# Altium PCB MCU card V2.PcbDoc
Units mil, origin at the board's own origin, x right, y up, seen from the top; angles counter-clockwise.
Board outline 1955.43 x 2187.17 mil, 4 copper layers (Top Layer, MidTop, MidBottom, Bottom Layer), stack 19.156 mil thick; 24 components, 87 nets, 222 pads, 82 vias.
Unrouted connection lines stored in the file: 18.
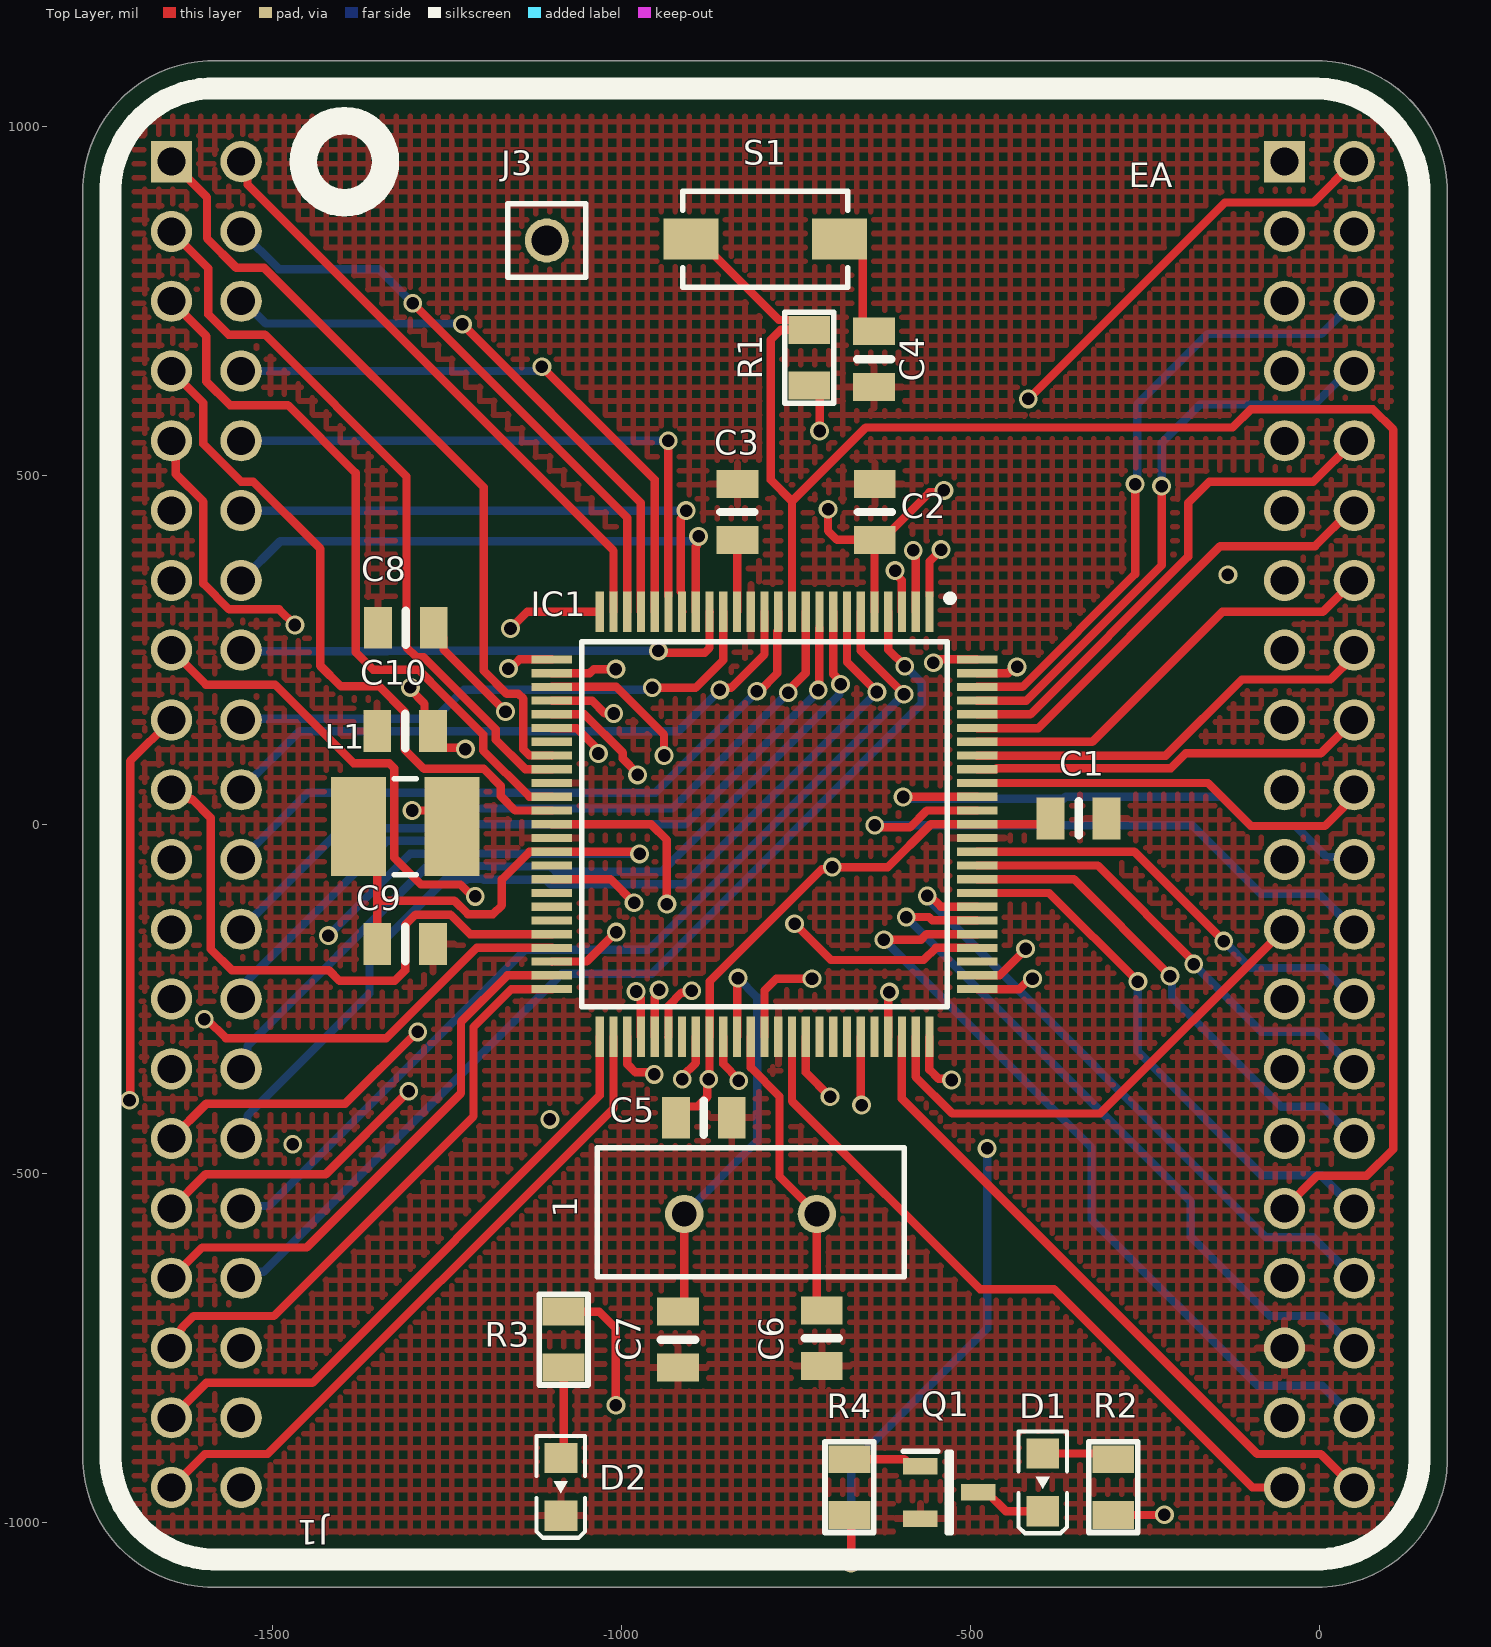
[diagram p0: Top Layer view]
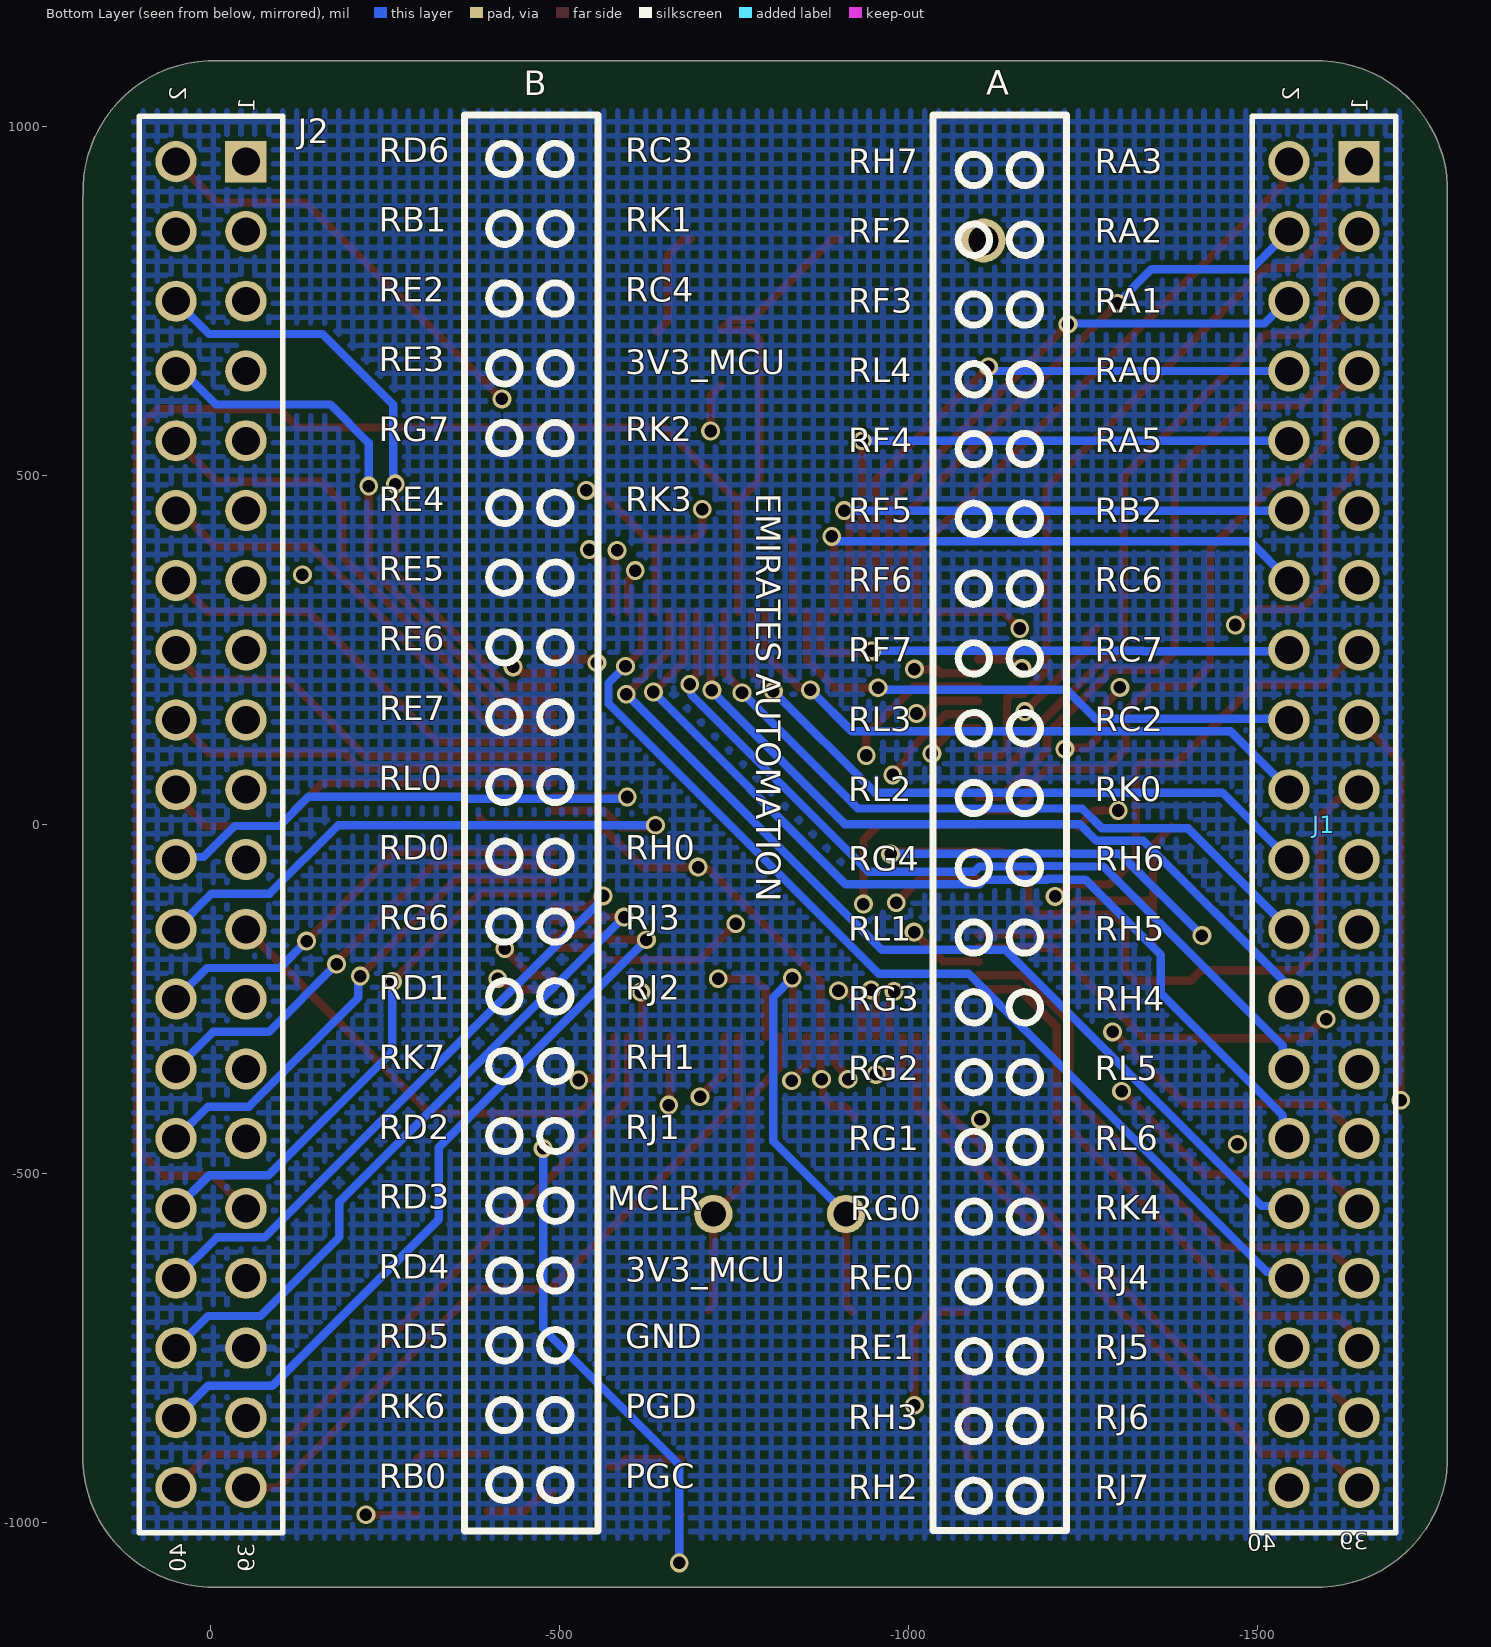
[diagram p1: Bottom Layer view, seen from below]
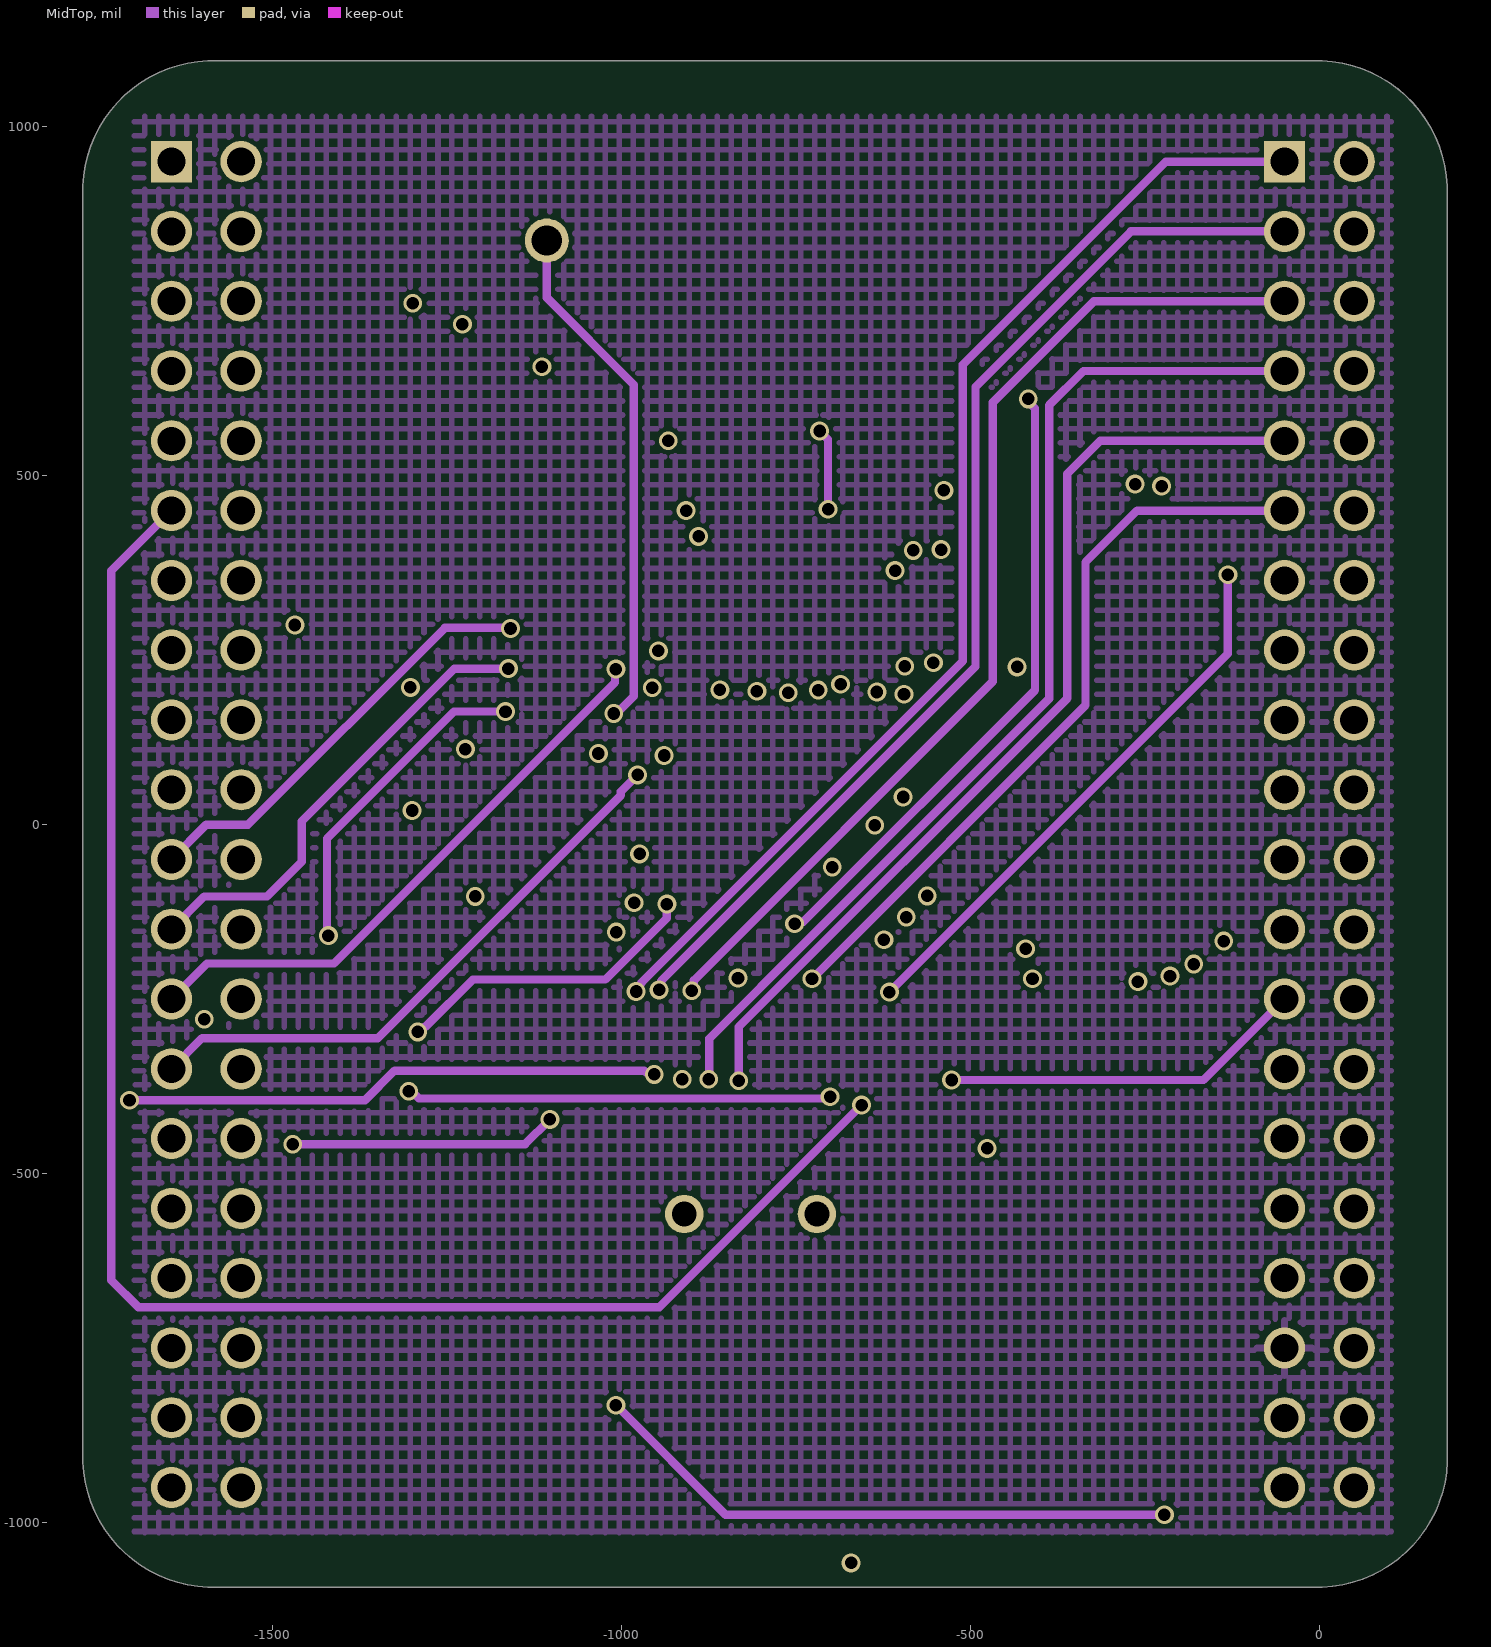
[diagram p2: MidTop]
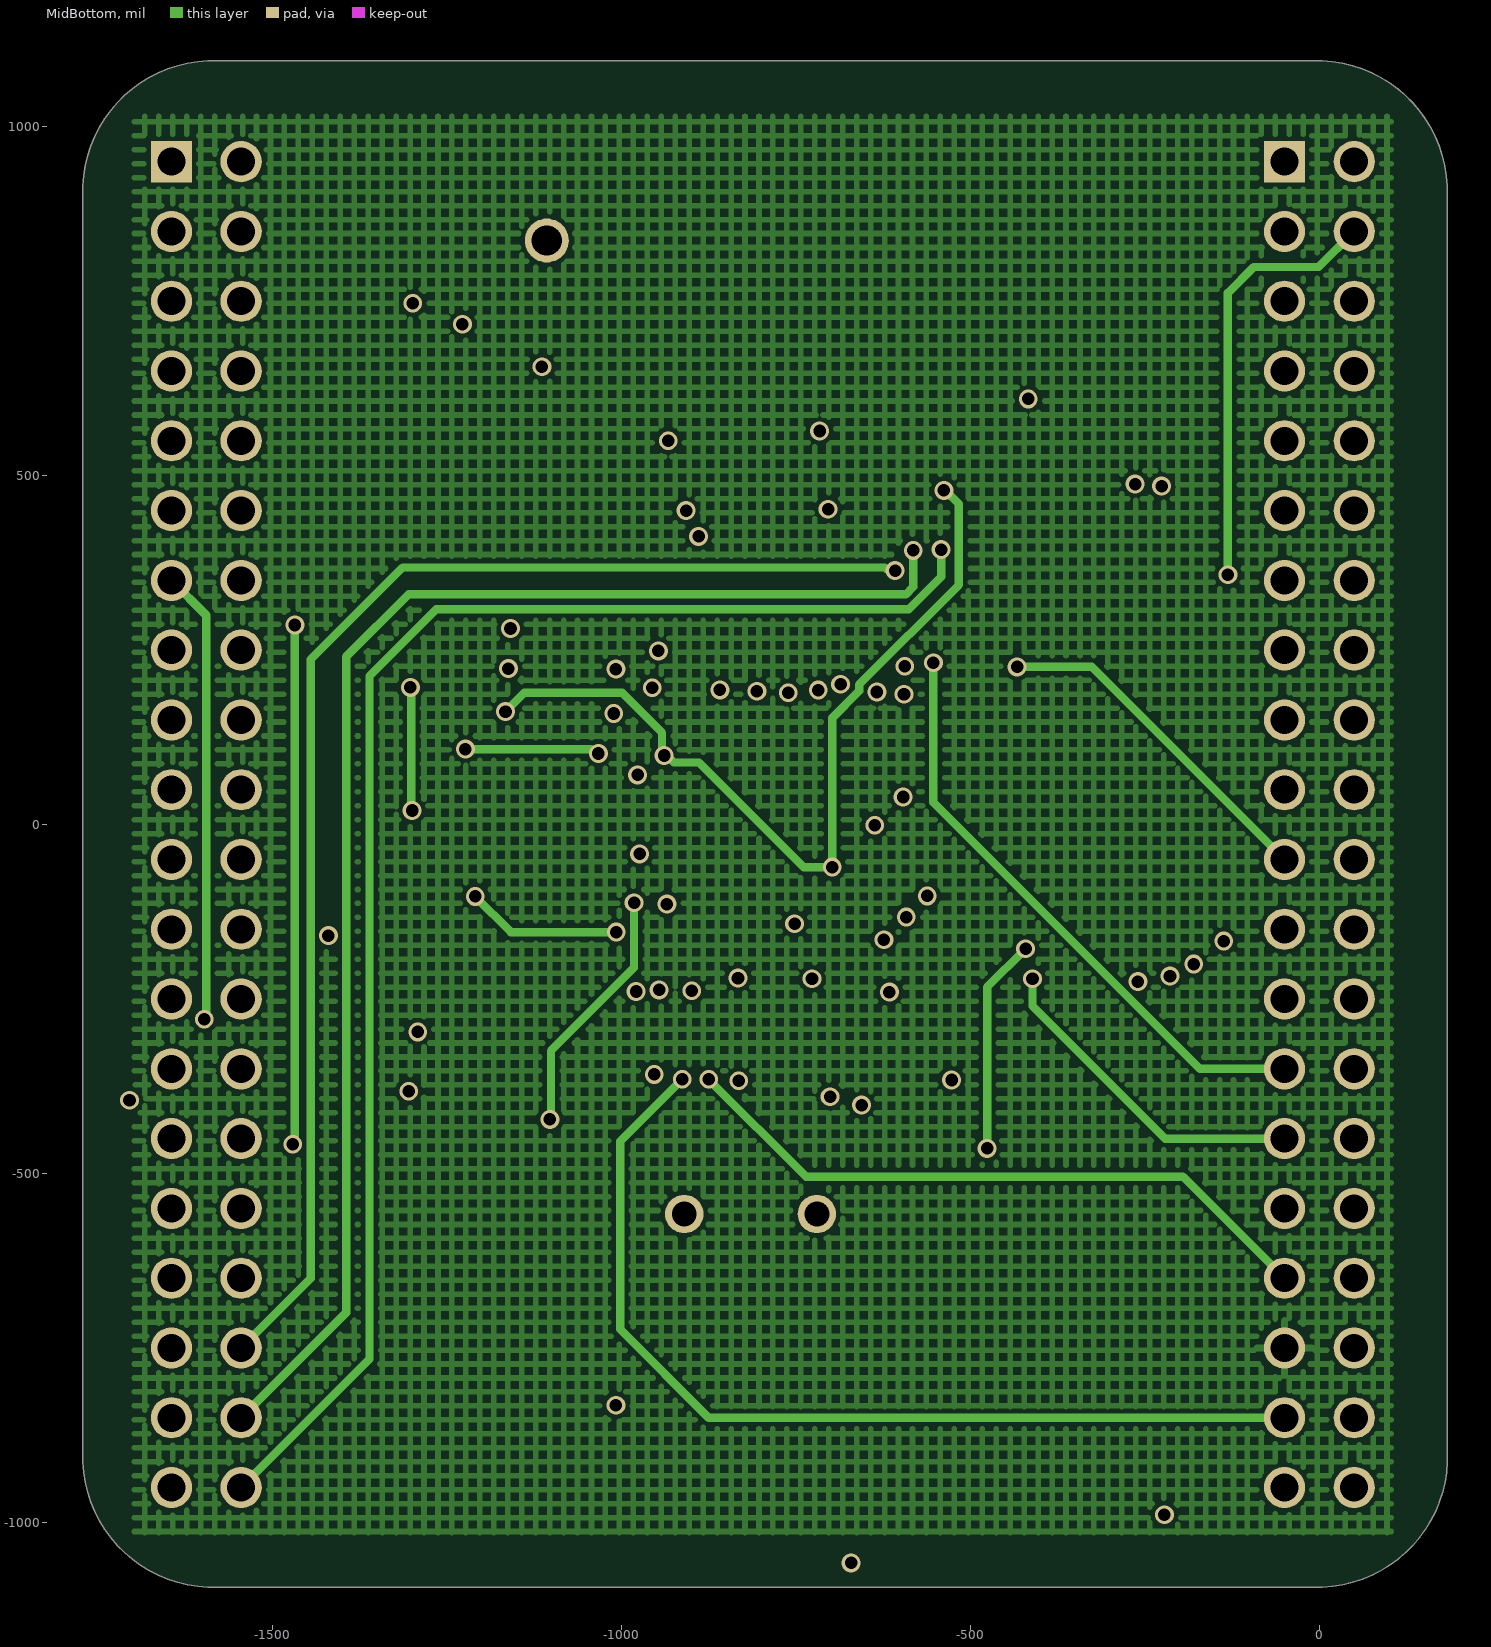
[diagram p3: MidBottom]
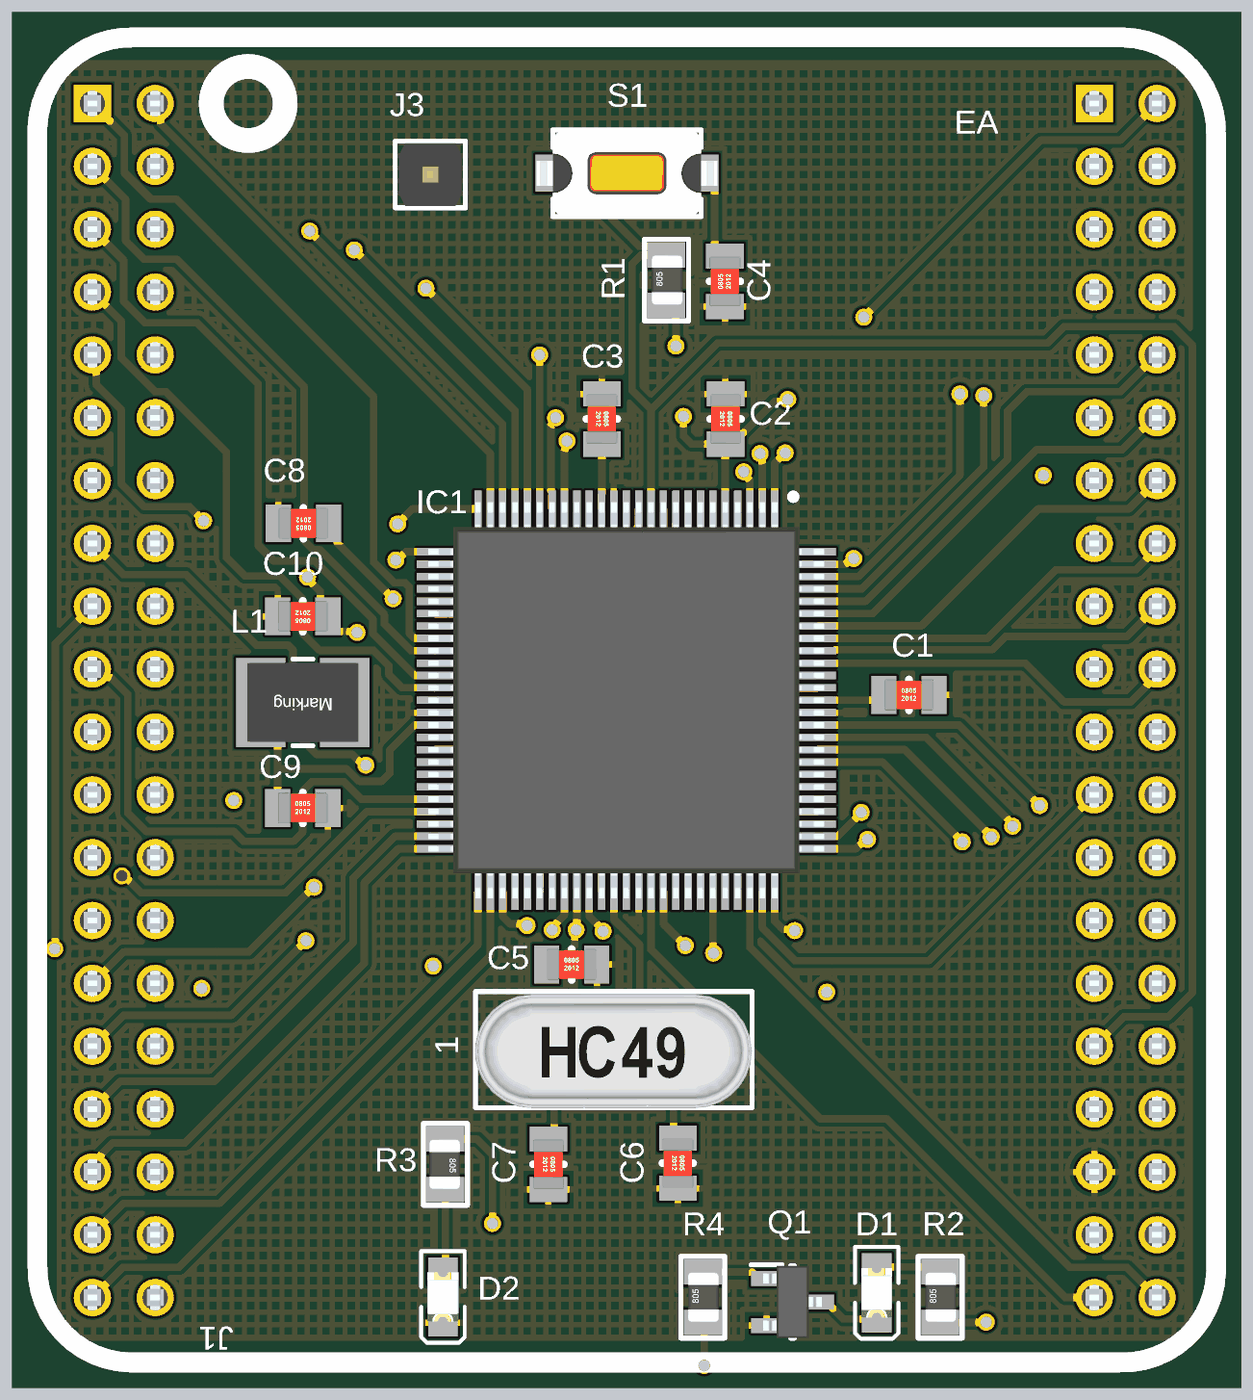
[diagram p4: 3D render of the assembled board from above, using the file's embedded part models]

## Layer stack, top to bottom
Top Solder: solder mask 0.4, Solder Resist, Dk 3.5
Top Layer: signal copper 1.4
Dielectric 2: prepreg 2.8, PP-006, Dk 4.1
MidTop: signal copper 1.378
Dielectric 1: core 8, Core-025, Dk 4.6
MidBottom: signal copper 1.378
Dielectric 3: prepreg 2.8, PP-006, Dk 4.1
Bottom Layer: signal copper 1.4
Bottom Solder: solder mask 0.4, Solder Resist, Dk 3.5

## Board outline
-1592.69,-1092.72 cw(c-1585.31,-906.2) -1771.82,-898.82 -1771.85,-898.82 -1771.85,915.31 cw(c-1585.33,907.93) -1577.95,1094.44 4.07,1094.44 4.07,1094.31 cw(c-3.31,907.8) 183.21,900.41 183.58,900.41 183.58,-913.43 cw(c-2.93,-906.05) -10.31,-1092.57

## Design rules (kind name [scope] priority, off if disabled: settings)
Clearance [All] p1: gap=6 ignorepadtopadclearanceinfootprint=FALSE
PolygonConnect [All] p1: connectstyle=Relief reliefconductorwidth=10 reliefentries=4 polygonreliefangle="90 Angle" airgapwidth=10
RoutingVias [All] p1: holewidth=18 width=27 viastyle="Through Hole" minholewidth=18 minwidth=27 maxholewidth=18 maxwidth=27
SolderMaskExpansion [All] p1: expansion=4 istentingtop=FALSE
Width [All] p1: maxlimit=40 minlimit=12 preferedwidth=15
30 further rules are at their usual default settings.

## Components (designator, comment, footprint, x,y, rotation, side; value= is the part's Value field where it differs from the comment)
1 "" "Mini Crystal" -814.98,-403 r0 top
C1 "0.10µF" SMD-0805C -344.98,9 r270 top
C2 "0.10µF" SMD-0805C -636.98,448 r180 top
C3 "10uF" SMD-0805C -833.98,448 r180 top value=0.10µF
C4 "0.10µF" SMD-0805C -637.98,667 r0 top
C5 "0.10µF" SMD-0805C -881.98,-420 r270 top
C6 "18pF" SMD-0805C -712.98,-736 r180 top value=0.10µF
C7 "18pF" SMD-0805C -918.98,-738 r180 top value=0.10µF
C8 "0.10µF" SMD-0805C -1309,282 r90 top
C9 "0.10µF" SMD-0805C -1310,-171 r270 top
C10 "0.10µF" SMD-0805C -1310,134 r90 top
D1 "150080BS75000" WL-SMCW_0805 -396.32,-942.47 r90 top
D2 "150080BS75000" WL-SMCW_0805 -1086.98,-949 r90 top
IC1 "PIC18F97J94-I-PF" QFP50P1600X1600X120-100N -794.98,0.5 r270 top
J1 "61304021821" 61304021821 -1595,0 r270 bottom
J2 "61304021821" 61304021821 0,0 r270 bottom
J3 "61300111121" 61300111121 -1107,837 r0 top
L1 "10uH, 0.95A" WE-LQ_1812 -1310,-3 r180 top
Q1 "S12302DS Nchanel SMD SOT-23" SOT-23-3N -530.32,-957 r0 top
R1 "10K" SMD-0805-RES -730.98,669 r0 top value=1k
R2 "240 ohm" SMD-0805-RES -295.32,-949.42 r0 top value=1k
R3 "1k" SMD-0805-RES -1082.98,-738 r180 top
R4 "1k" SMD-0805-RES -673.32,-949.42 r0 top
S1 "434113043826" 434113043826 -793.98,839 r0 top

## Footprints (in the part's own frame and the unit in brackets; to place one, negate y for a bottom-side part, rotate by r counter-clockwise, add the part's x,y. Pads: shape width x height; smd on the part's side, far side on the other; paste and mask are expansions set on the pad)
61300111121 [mm] "Pin Header, pitch 2.54 mm, THT, Vertical, single row, 1p"
  round 1.6 hole 1.1: 1(0,0)
  silkscreen extent -1.42,-1.35 1.42,1.35, body extent -1.27,-1.27 1.27,1.27, height 8.57
61304021821 [mm] "Socket Header, Pitch 2.54 mm, THT, Vertical, dual row, 40p"
  rect 1.5x1.5 hole 1.02: 1(-24.13,1.27)
  round 1.5 hole 1.02: 2(-24.13,-1.27) 3(-21.59,1.27) 4(-21.59,-1.27) 5(-19.05,1.27) 6(-19.05,-1.27) 7(-16.51,1.27) 8(-16.51,-1.27) 9(-13.97,1.27) 10(-13.97,-1.27) 11(-11.43,1.27) 12(-11.43,-1.27) 13(-8.89,1.27) 14(-8.89,-1.27) 15(-6.35,1.27) 16(-6.35,-1.27) 17(-3.81,1.27) 18(-3.81,-1.27) 19(-1.27,1.27) 20(-1.27,-1.27) 21(1.27,1.27) 22(1.27,-1.27) 23(3.81,1.27) 24(3.81,-1.27) 25(6.35,1.27) 26(6.35,-1.27) 27(8.89,1.27) 28(8.89,-1.27) 29(11.43,1.27) 30(11.43,-1.27) 31(13.97,1.27) 32(13.97,-1.27) 33(16.51,1.27) 34(16.51,-1.27) 35(19.05,1.27) 36(19.05,-1.27) 37(21.59,1.27) 38(21.59,-1.27) 39(24.13,1.27) 40(24.13,-1.27)
  silkscreen extent -25.78,-2.62 25.78,2.62, body extent -25.65,-2.54 25.65,2.54, height 8.45
434113043826 [mm] "SMD Tact Switch, body 6x3.5mm"
  rect 2x1.5 smd: 1(-2.7,0) 2(2.7,0)
  silkscreen extent -3,-1.75 3,1.75, body extent -3.65,-1.75 3.65,1.75, height 4.3
"Mini Crystal" [mm] "THD, 2-Leads, Body 4x10mm, Pitch 5mm"
  round 1.4 hole 0.9: 1(-2.413,-3.937) 2(2.413,-3.937)
  silkscreen extent -5.59,-6.22 5.59,-1.52, body extent -5.61,-6.24 5.59,-1.64, height 3.75
QFP50P1600X1600X120-100N [mm]
  rect 1.475x0.3 smd: 1(-7.738,6) 2(-7.738,5.5) 3(-7.738,5) 4(-7.738,4.5) 5(-7.738,4) 6(-7.738,3.5) 7(-7.738,3) 8(-7.738,2.5) 9(-7.738,2) 10(-7.738,1.5) 11(-7.738,1) 12(-7.738,0.5) 13(-7.738,0) 14(-7.738,-0.5) 15(-7.738,-1) 16(-7.738,-1.5) 17(-7.738,-2) 18(-7.738,-2.5) 19(-7.738,-3) 20(-7.738,-3.5) 21(-7.738,-4) 22(-7.738,-4.5) 23(-7.738,-5) 24(-7.738,-5.5) 25(-7.738,-6) 51(7.738,-6) 52(7.738,-5.5) 53(7.738,-5) 54(7.738,-4.5) 55(7.738,-4) 56(7.738,-3.5) 57(7.738,-3) 58(7.738,-2.5) 59(7.738,-2) 60(7.738,-1.5) 61(7.738,-1) 62(7.738,-0.5) 63(7.738,0) 64(7.738,0.5) 65(7.738,1) 66(7.738,1.5) 67(7.738,2) 68(7.738,2.5) 69(7.738,3) 70(7.738,3.5) 71(7.738,4) 72(7.738,4.5) 73(7.738,5) 74(7.738,5.5) 75(7.738,6)
  rect 0.3x1.475 smd: 26(-6,-7.738) 27(-5.5,-7.738) 28(-5,-7.738) 29(-4.5,-7.738) 30(-4,-7.738) 31(-3.5,-7.738) 32(-3,-7.738) 33(-2.5,-7.738) 34(-2,-7.738) 35(-1.5,-7.738) 36(-1,-7.738) 37(-0.5,-7.738) 38(0,-7.738) 39(0.5,-7.738) 40(1,-7.738) 41(1.5,-7.738) 42(2,-7.738) 43(2.5,-7.738) 44(3,-7.738) 45(3.5,-7.738) 46(4,-7.738) 47(4.5,-7.738) 48(5,-7.738) 49(5.5,-7.738) 50(6,-7.738) 76(6,7.738) 77(5.5,7.738) 78(5,7.738) 79(4.5,7.738) 80(4,7.738) 81(3.5,7.738) 82(3,7.738) 83(2.5,7.738) 84(2,7.738) 85(1.5,7.738) 86(1,7.738) 87(0.5,7.738) 88(0,7.738) 89(-0.5,7.738) 90(-1,7.738) 91(-1.5,7.738) 92(-2,7.738) 93(-2.5,7.738) 94(-3,7.738) 95(-3.5,7.738) 96(-4,7.738) 97(-4.5,7.738) 98(-5,7.738) 99(-5.5,7.738) 100(-6,7.738)